# KiCad board hermod-right.kicad_pcb
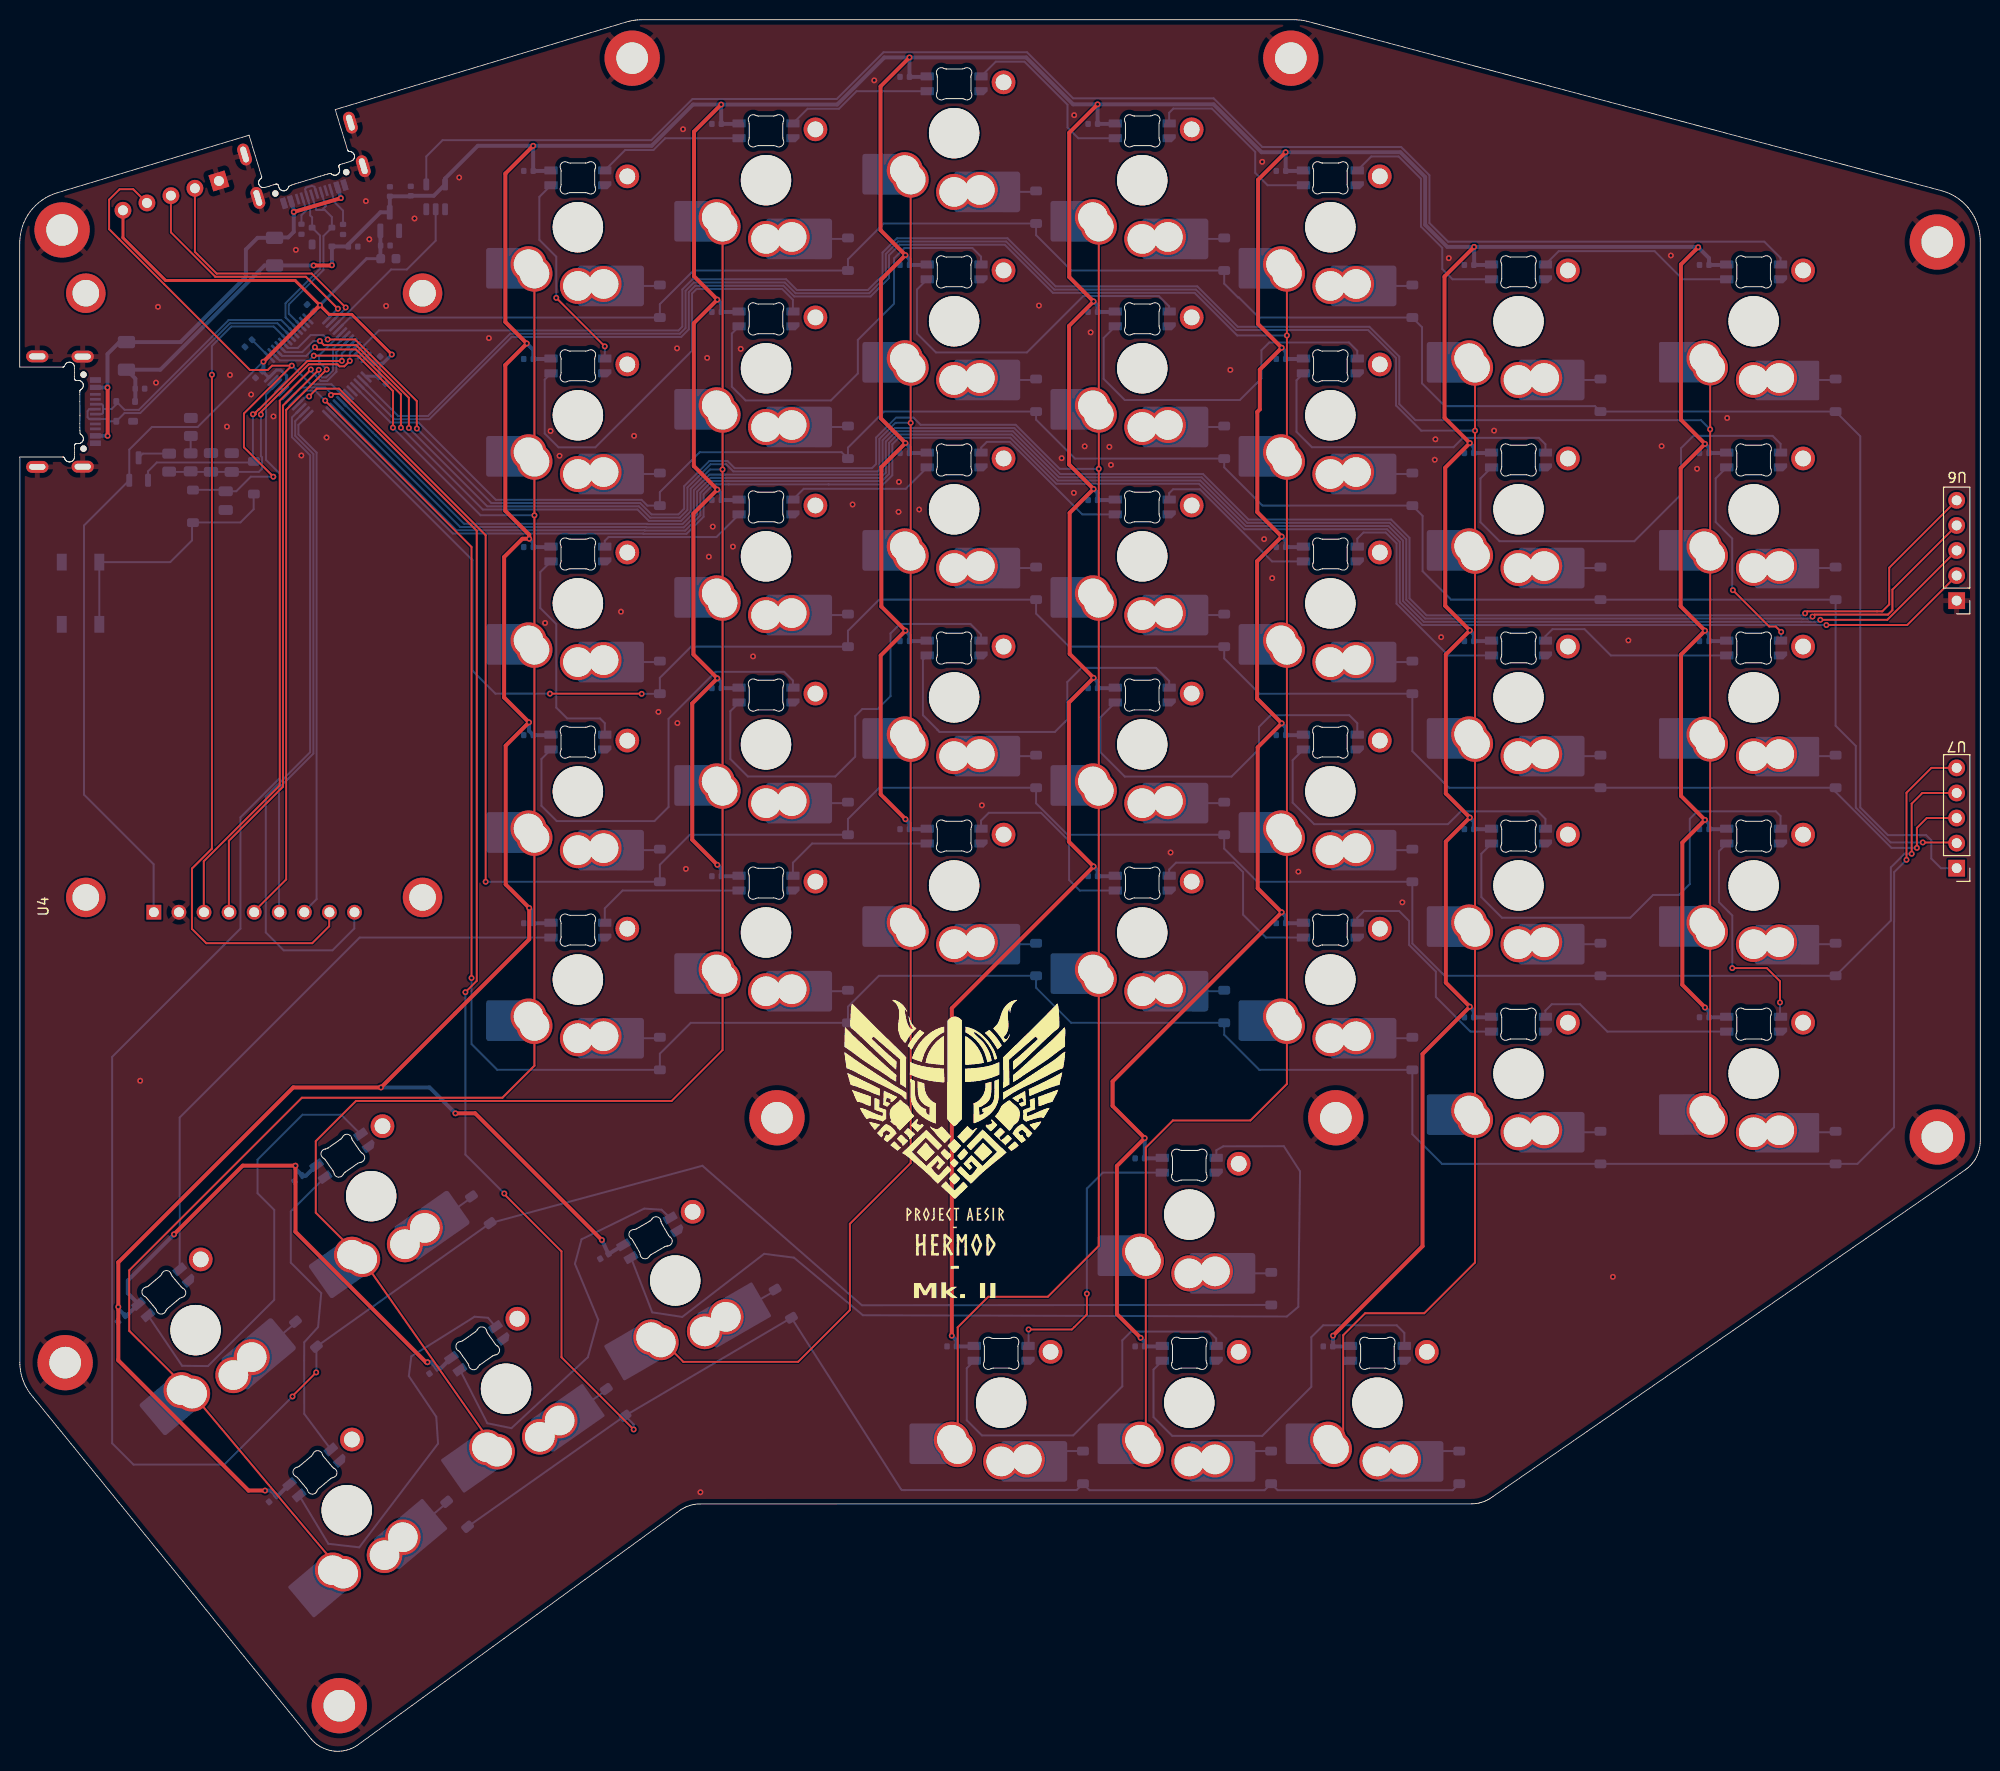
[diagram p0: board, top side]
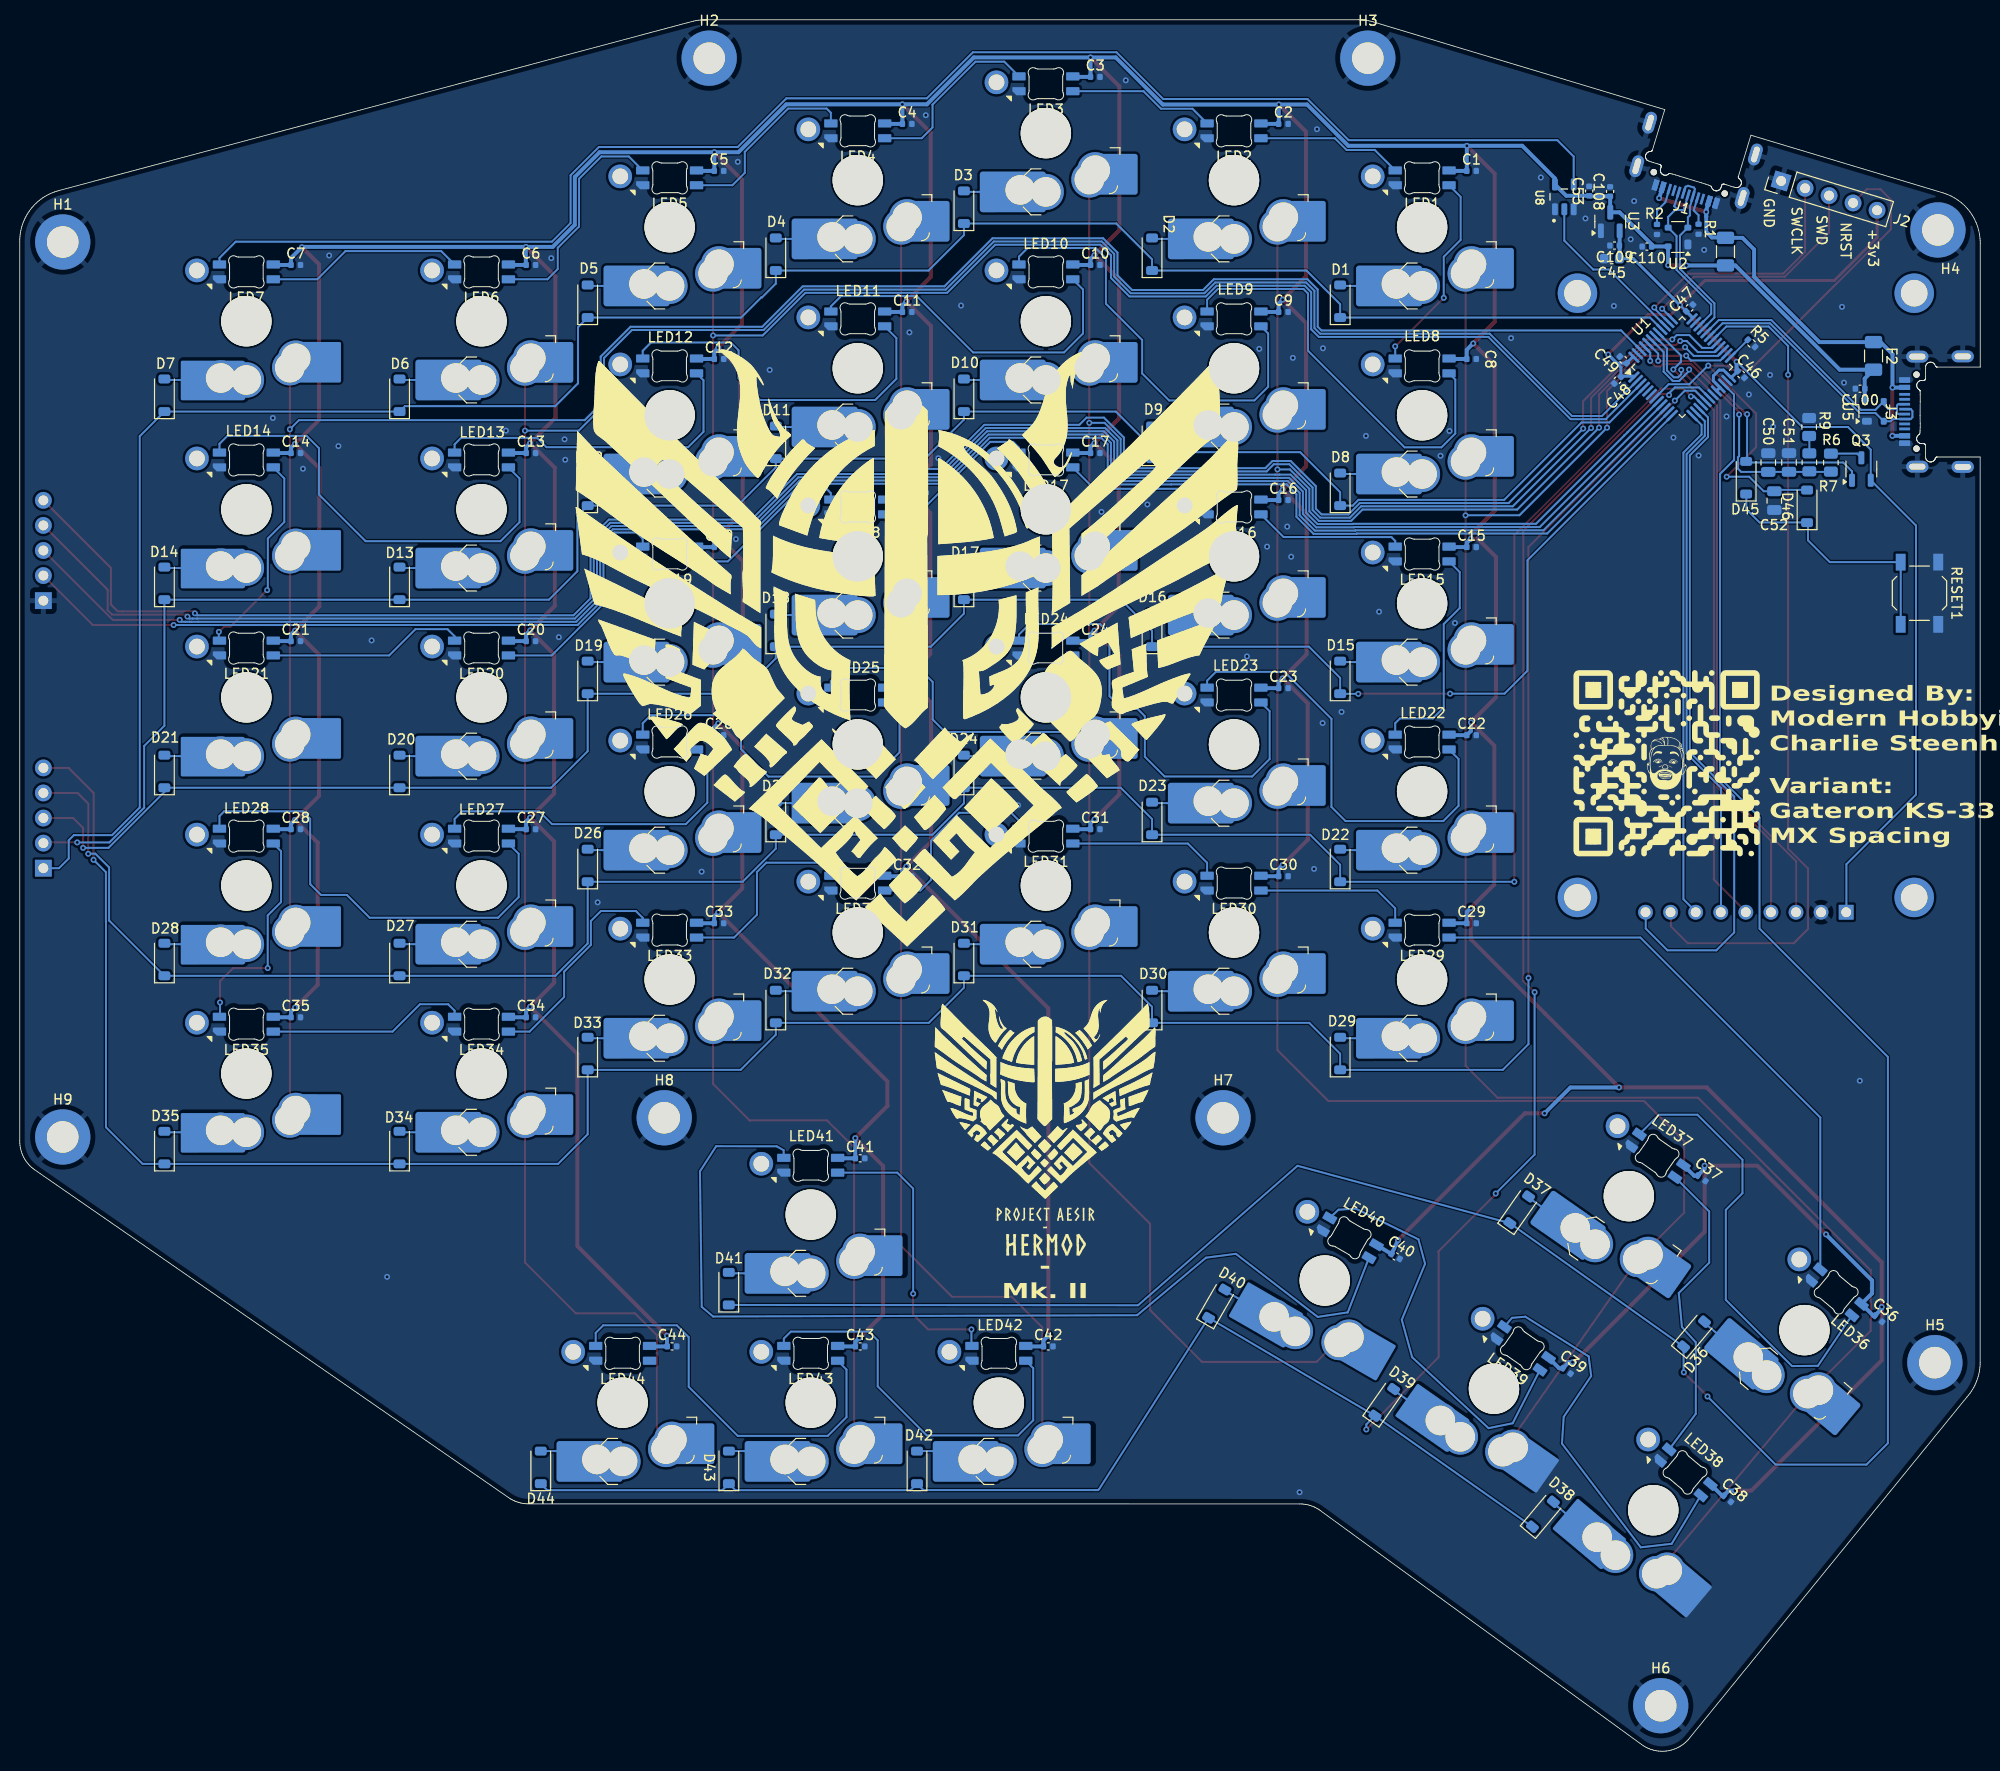
[diagram p1: board, bottom side, seen from below]

Outline 198.53 x 175.38 mm; copper layers: Top, Bottom. Coordinates in mm from the lower left corner of the outline.
Outline path: 0,152.78 0.01,153 0.02,153.21 0.07,153.64 0.16,154.06 0.28,154.46 0.43,154.85 0.6,155.23 0.81,155.59 1.05,155.94 1.31,156.26 1.59,156.56 1.91,156.84 2.24,157.1 2.59,157.33 2.97,157.53 3.36,157.7 3.57,157.78 3.77,157.85 23.22,163.69 24.49,159.52 24.5,159.5 24.5,159.49 24.5,159.48 24.5,159.43 24.5,159.42 24.5,159.41 24.49,159.4 24.49,159.39 24.48,159.38 24.48,159.37 24.48,159.36 24.47,159.36 24.46,159.34 24.44,159.32 24.43,159.31 24.42,159.29 24.4,159.28 24.38,159.27 24.36,159.25 24.35,159.24 24.33,159.23 24.32,159.21 24.31,159.2 24.29,159.18 24.28,159.17 24.25,159.12 24.24,159.1 24.23,159.08 24.22,159.05 24.21,159.02 24.21,159.01 24.2,158.96 24.19,158.94 24.19,158.92 24.19,158.85 24.19,158.83 24.19,158.8 24.2,158.78 24.2,158.76 24.21,158.73 24.22,158.71 24.23,158.69 24.26,158.63 24.27,158.61 24.28,158.59 24.31,158.55 24.38,158.48 24.4,158.47 24.42,158.46 24.44,158.45 24.45,158.43 24.48,158.42 24.5,158.41 24.52,158.4 24.54,158.4 24.57,158.39 24.59,158.39 24.61,158.38 24.67,158.38 24.74,158.39 24.82,158.4 24.92,158.42 25.03,158.45 25.24,158.52 25.67,158.65 25.83,158.71 25.89,158.72 25.94,158.73 25.95,158.74 25.96,158.74 25.98,158.74 26,158.74 26.01,158.74 26.03,158.74 26.05,158.73 26.06,158.73 26.1,158.71 26.12,158.7 26.13,158.69 26.14,158.68 26.15,158.66 26.15,158.66 26.16,158.65 26.17,158.63 26.19,158.59 26.23,158.47 26.24,158.42 26.25,158.39 26.26,158.37 26.27,158.35 26.28,158.33 26.31,158.27 26.34,158.23 26.39,158.18 26.41,158.17 26.42,158.16 26.43,158.15 26.45,158.14 26.46,158.13 26.48,158.12 26.49,158.11 26.51,158.1 26.53,158.1 26.56,158.08 26.57,158.08 26.59,158.07 26.61,158.06 26.65,158.06 26.66,158.06 26.68,158.05 26.7,158.05 26.72,158.05 26.73,158.05 26.75,158.05 26.77,158.05 26.79,158.06 26.81,158.06 26.83,158.06 26.85,158.07 26.87,158.07 26.9,158.09 26.92,158.09 26.94,158.1 26.98,158.12 27.01,158.14 27.04,158.17 27.07,158.19 27.1,158.22 27.15,158.28 27.17,158.31 27.19,158.35 27.21,158.43 27.22,158.45 27.22,158.46 27.22,158.48 27.23,158.49 27.26,158.52 27.29,158.53 27.39,158.58 27.51,158.63 27.85,158.75 28.24,158.87 30.46,159.54 30.84,159.66 31.18,159.75 31.32,159.79 31.42,159.8 31.49,159.81 31.51,159.8 31.52,159.79 31.56,159.76 31.57,159.75 31.59,159.73 31.63,159.71 31.66,159.69 31.7,159.67 31.74,159.66 31.79,159.64 31.8,159.64 31.85,159.63 31.87,159.63 31.89,159.63 31.91,159.63 31.93,159.63 31.95,159.63 32,159.64 32.01,159.64 32.1,159.67 32.12,159.68 32.16,159.7 32.22,159.75 32.23,159.76 32.24,159.77 32.25,159.78 32.27,159.79 32.32,159.86 32.33,159.88 32.34,159.89 32.34,159.91 32.35,159.92 32.36,159.94 32.36,159.96 32.37,159.97 32.37,159.99 32.38,160 32.39,160.06 32.39,160.08 32.4,160.09 32.4,160.18 32.39,160.2 32.38,160.26 32.37,160.28 32.37,160.31 32.35,160.35 32.34,160.4 32.33,160.42 32.31,160.47 32.31,160.51 32.31,160.56 32.31,160.58 32.32,160.59 32.32,160.6 32.34,160.63 32.35,160.65 32.36,160.66 32.37,160.67 32.38,160.68 32.39,160.69 32.4,160.7 32.44,160.72 32.45,160.72 32.53,160.75 32.69,160.79 33.11,160.91 33.33,160.99 33.52,161.05 33.6,161.08 33.67,161.11 33.71,161.14 33.73,161.15 33.74,161.16 33.76,161.18 33.77,161.2 33.79,161.21 33.8,161.24 33.82,161.25 33.83,161.27 33.84,161.3 33.85,161.32 33.86,161.34 33.87,161.36 33.88,161.38 33.88,161.41 33.89,161.43 33.89,161.48 33.9,161.5 33.9,161.57 33.89,161.6 33.89,161.65 33.88,161.67 33.87,161.69 33.86,161.73 33.83,161.8 33.81,161.82 33.79,161.85 33.77,161.87 33.75,161.89 33.74,161.9 33.72,161.92 33.7,161.93 33.68,161.95 33.67,161.96 33.6,161.99 33.58,162 33.56,162.01 33.54,162.02 33.52,162.02 33.5,162.03 33.48,162.03 33.41,162.03 33.37,162.04 33.35,162.05 33.33,162.05 33.31,162.06 33.29,162.07 33.28,162.07 33.27,162.08 33.27,162.08 33.26,162.09 33.25,162.1 33.24,162.11 33.23,162.12 33.22,162.13 33.22,162.14 33.21,162.15 33.21,162.17 33.2,162.18 31.95,166.28 61.42,175.15 61.6,175.21 61.79,175.25 61.98,175.29 62.17,175.32 62.36,175.35 62.56,175.36 62.75,175.38 62.94,175.38 129.1,175.38 129.28,175.38 129.44,175.37 129.62,175.35 129.79,175.34 129.96,175.31 130.13,175.28 130.3,175.24 130.46,175.2 194.6,158.07 194.82,158 195.03,157.93 195.24,157.85 195.44,157.77 195.63,157.67 195.83,157.57 196.01,157.46 196.19,157.34 196.37,157.22 196.54,157.09 196.71,156.95 196.86,156.81 197.02,156.66 197.16,156.51 197.3,156.34 197.44,156.18 197.56,156 197.68,155.83 197.8,155.65 197.9,155.46 198,155.27 198.08,155.08 198.17,154.88 198.24,154.68 198.31,154.47 198.37,154.26 198.42,154.05 198.46,153.84 198.49,153.62 198.51,153.4 198.53,153.18 198.53,152.96 198.53,61.79 198.52,61.58 198.5,61.36 198.47,61.15 198.43,60.94 198.37,60.74 198.3,60.54 198.22,60.34 198.13,60.15 198.02,59.97 197.91,59.79 197.78,59.62 197.65,59.46 197.5,59.3 197.35,59.16 197.18,59.02 197.01,58.89 149.02,25.69 148.91,25.61 148.79,25.54 148.67,25.48 148.56,25.42 148.43,25.36 148.31,25.31 148.19,25.26 148.06,25.22 147.93,25.18 147.8,25.15 147.67,25.12 147.54,25.1 147.41,25.08 147.28,25.07 147.14,25.06 147.01,25.06 68.9,25.05 68.76,25.05 68.62,25.04 68.48,25.03 68.34,25.01 68.21,24.98 68.07,24.96 67.94,24.92 67.8,24.88 67.67,24.83 67.54,24.78 67.42,24.73 67.29,24.67 67.17,24.6 67.05,24.53 66.93,24.46 66.82,24.38 34.28,0.68 34.14,0.58 33.99,0.49 33.84,0.4 33.69,0.33 33.53,0.26 33.38,0.2 33.22,0.15 33.06,0.1 32.9,0.07 32.73,0.04 32.57,0.02 32.41,0.01 32.24,0 32.08,0 31.91,0.01 31.75,0.03 31.59,0.05 31.43,0.09 31.27,0.13 31.11,0.17 30.96,0.23 30.8,0.29 30.65,0.36 30.51,0.43 30.36,0.52 30.22,0.61 30.09,0.71 29.95,0.81 29.82,0.92 29.7,1.04 29.58,1.17 29.47,1.3 1.34,35.88 1.19,36.07 1.04,36.26 0.9,36.45 0.77,36.66 0.65,36.86 0.54,37.08 0.44,37.29 0.36,37.52 0.28,37.74 0.2,37.97 0.14,38.2 0.1,38.44 0.06,38.67 0.03,38.91 0.01,39.16 0.01,39.4 0.01,131.09 4.39,131.09 4.41,131.09 4.42,131.09 4.43,131.08 4.44,131.08 4.46,131.08 4.5,131.05 4.5,131.04 4.53,131.01 4.54,131 4.55,130.97 4.55,130.96 4.58,130.9 4.58,130.89 4.59,130.88 4.59,130.87 4.59,130.86 4.61,130.84 4.61,130.82 4.62,130.81 4.64,130.79 4.65,130.78 4.66,130.76 4.67,130.75 4.68,130.74 4.7,130.72 4.71,130.71 4.73,130.7 4.74,130.69 4.76,130.68 4.77,130.67 4.79,130.66 4.8,130.65 4.89,130.61 4.91,130.61 4.93,130.6 4.96,130.6 4.98,130.6 5,130.59 5.08,130.59 5.09,130.6 5.12,130.6 5.15,130.6 5.18,130.61 5.21,130.63 5.25,130.64 5.31,130.67 5.34,130.7 5.36,130.72 5.39,130.74 5.41,130.77 5.44,130.79 5.45,130.82 5.48,130.85 5.49,130.88 5.5,130.91 5.52,130.95 5.52,130.97 5.53,131.01 5.54,131.16 5.54,131.36 5.54,131.59 5.54,132.02 5.54,132.28 5.54,132.29 5.54,132.3 5.55,132.31 5.56,132.33 5.56,132.35 5.57,132.35 5.58,132.38 5.6,132.39 5.61,132.4 5.62,132.41 5.63,132.42 5.64,132.42 5.69,132.44 5.71,132.44 5.74,132.45 5.96,132.45 5.99,132.45 6.01,132.45 6.03,132.45 6.05,132.46 6.06,132.46 6.09,132.47 6.16,132.5 6.23,132.54 6.25,132.56 6.29,132.59 6.31,132.62 6.34,132.65 6.38,132.71 6.4,132.75 6.41,132.77 6.42,132.8 6.42,132.82 6.43,132.84 6.43,132.86 6.44,132.88 6.44,132.9 6.44,132.93 6.44,132.99 6.43,133.05 6.43,133.07 6.4,133.14 6.38,133.18 6.36,133.21 6.34,133.25 6.31,133.28 6.25,133.34 6.22,133.37 6.18,133.39 6.15,133.41 6.13,133.42 6.13,133.44 6.11,133.5 6.1,133.61 6.09,133.75 6.08,134.1 6.08,134.5 6.09,135.27 6.08,136.72 6.08,137.44 6.09,137.69 6.09,137.79 6.09,137.8 6.1,137.8 6.1,137.81 6.1,137.82 6.1,137.82 6.1,137.83 6.11,137.84 6.11,137.84 6.12,137.86 6.16,137.9 6.17,137.9 6.18,137.91 6.21,137.94 6.23,137.94 6.24,137.95 6.25,137.96 6.27,137.98 6.3,138 6.32,138.02 6.34,138.05 6.35,138.08 6.37,138.1 6.39,138.13 6.4,138.16 6.41,138.19 6.42,138.22 6.43,138.28 6.43,138.31 6.43,138.34 6.43,138.38 6.43,138.39 6.43,138.41 6.43,138.43 6.42,138.47 6.41,138.49 6.4,138.53 6.39,138.57 6.37,138.6 6.35,138.63 6.32,138.67 6.29,138.7 6.24,138.75 6.21,138.77 6.17,138.79 6.13,138.81 6.12,138.82 6.1,138.82 6.06,138.83 6.04,138.84 6.01,138.84 5.97,138.85 5.76,138.85 5.73,138.85 5.71,138.85 5.69,138.86 5.67,138.86 5.65,138.87 5.64,138.87 5.63,138.88 5.62,138.88 5.61,138.89 5.59,138.91 5.57,138.93 5.56,138.94 5.56,138.95 5.55,138.97 5.55,138.98 5.54,138.99 5.54,138.99 5.54,139 5.54,139.01 5.53,139.09 5.53,139.25 5.54,139.67 5.53,140.1 5.53,140.25 5.52,140.3 5.52,140.32 5.51,140.35 5.49,140.42 5.47,140.44 5.46,140.47 5.44,140.5 5.42,140.52 5.4,140.55 5.37,140.57 5.35,140.59 5.32,140.61 5.27,140.64 5.24,140.66 5.21,140.67 5.18,140.68 5.14,140.69 5.12,140.7 5.1,140.7 5.01,140.7 4.97,140.7 4.93,140.69 4.89,140.68 4.85,140.67 4.82,140.65 4.78,140.63 4.74,140.61 4.71,140.59 4.68,140.56 4.65,140.53 4.63,140.5 4.61,140.46 4.53,140.29 4.53,140.28 4.5,140.26 4.5,140.25 4.47,140.23 4.44,140.22 4.4,140.21 4.39,140.2 0,140.2 0,152.78
Stack: Top 0.035mm / dielectric 1.51mm FR4 er 4.5 / Bottom 0.035mm

## Placement (name value [footprint] x y rotation side)
C1  0.1uF  [C_0402_1005Metric]  51.52 160.07 180 bottom
C2  0.1uF  [C_0402_1005Metric]  70.57 164.83 180 bottom
C3  0.1uF  [C_0402_1005Metric]  89.62 169.59 180 bottom
C4  0.1uF  [C_0402_1005Metric]  108.67 164.83 180 bottom
C5  0.1uF  [C_0402_1005Metric]  127.72 160.07 180 bottom
C6  0.1uF  [C_0402_1005Metric]  146.77 150.54 180 bottom
C7  0.1uF  [C_0402_1005Metric]  170.58 150.54 180 bottom
C8  0.1uF  [C_0402_1005Metric]  51.52 141.02 180 bottom
C9  0.1uF  [C_0402_1005Metric]  70.57 145.78 180 bottom
C10  0.1uF  [C_0402_1005Metric]  89.62 150.54 180 bottom
C11  0.1uF  [C_0402_1005Metric]  108.67 145.78 180 bottom
C12  0.1uF  [C_0402_1005Metric]  127.72 141.02 180 bottom
C13  0.1uF  [C_0402_1005Metric]  146.77 131.49 180 bottom
C14  0.1uF  [C_0402_1005Metric]  170.58 131.49 180 bottom
C15  0.1uF  [C_0402_1005Metric]  51.52 121.97 180 bottom
C16  0.1uF  [C_0402_1005Metric]  70.57 126.73 180 bottom
C17  0.1uF  [C_0402_1005Metric]  89.62 131.49 180 bottom
C18  0.1uF  [C_0402_1005Metric]  108.67 126.73 180 bottom
C19  0.1uF  [C_0402_1005Metric]  127.72 121.97 180 bottom
C20  0.1uF  [C_0402_1005Metric]  146.77 112.44 180 bottom
C21  0.1uF  [C_0402_1005Metric]  170.58 112.44 180 bottom
C22  0.1uF  [C_0402_1005Metric]  51.52 102.92 180 bottom
C23  0.1uF  [C_0402_1005Metric]  70.57 107.68 180 bottom
C24  0.1uF  [C_0402_1005Metric]  89.62 112.44 180 bottom
C25  0.1uF  [C_0402_1005Metric]  108.67 107.68 180 bottom
C26  0.1uF  [C_0402_1005Metric]  127.72 102.92 180 bottom
C27  0.1uF  [C_0402_1005Metric]  146.77 93.39 180 bottom
C28  0.1uF  [C_0402_1005Metric]  170.58 93.39 180 bottom
C29  0.1uF  [C_0402_1005Metric]  51.52 83.87 180 bottom
C30  0.1uF  [C_0402_1005Metric]  70.57 88.63 180 bottom
C31  0.1uF  [C_0402_1005Metric]  89.62 93.39 180 bottom
C32  0.1uF  [C_0402_1005Metric]  108.67 88.63 180 bottom
C33  0.1uF  [C_0402_1005Metric]  127.72 83.87 180 bottom
C34  0.1uF  [C_0402_1005Metric]  146.77 74.34 180 bottom
C35  0.1uF  [C_0402_1005Metric]  170.58 74.34 180 bottom
C36  0.1uF  [C_0402_1005Metric]  10.31 43.81 220 bottom
C37  0.1uF  [C_0402_1005Metric]  28.22 58.03 215 bottom
C38  0.1uF  [C_0402_1005Metric]  25.62 25.57 220 bottom
C39  0.1uF  [C_0402_1005Metric]  41.88 38.52 215 bottom
C40  0.1uF  [C_0402_1005Metric]  59.2 50.12 210 bottom
C41  0.1uF  [C_0402_1005Metric]  113.43 60.06 180 bottom
C42  0.1uF  [C_0402_1005Metric]  94.38 41.01 180 bottom
C43  0.1uF  [C_0402_1005Metric]  113.43 41.01 180 bottom
C44  0.1uF  [C_0402_1005Metric]  132.48 41.01 180 bottom
C45  10uF  [C_0603_1608Metric]  37.32 151.18 0 bottom
C46  100nF  [C_0402_1005Metric]  24.22 139.45 225 bottom
C47  100nF  [C_0402_1005Metric]  29.44 146.19 135 bottom
C48  100nF  [C_0402_1005Metric]  36.73 138.87 315 bottom
C49  100nF  [C_0402_1005Metric]  36.16 140.93 45 bottom
C50  100n  [C_0805_2012Metric]  21.47 130.53 270 bottom
C51  100n  [C_0805_2012Metric]  19.37 130.54 270 bottom
C52  100n  [C_0805_2012Metric]  20.86 126.67 90 bottom
C53  0.1uF  [C_0402_1005Metric]  39.6 158.03 90 bottom
C100  100nF  [C_0402_1005Metric]  12.17 138.01 0 bottom
C108  1uF  [C_0402_1005Metric]  37.48 157.98 90 bottom
C109  1uF  [C_0402_1005Metric]  37.02 152.51 0 bottom
C110  100nF  [C_0402_1005Metric]  33.76 152.4 0 bottom
CH1  KS33_SW_solder  [KS33_Choc-v2_HS_1U]  56.52 154.37 180 bottom
CH2  KS33_SW_solder  [KS33_Choc-v2_HS_1U]  75.57 159.13 180 bottom
CH3  KS33_SW_solder  [KS33_Choc-v2_HS_1U]  94.62 163.89 180 bottom
CH4  KS33_SW_solder  [KS33_Choc-v2_HS_1U]  113.67 159.13 180 bottom
CH5  KS33_SW_solder  [KS33_Choc-v2_HS_1U]  132.72 154.37 180 bottom
CH6  KS33_SW_solder  [KS33_Choc-v2_HS_1U]  151.77 144.84 180 bottom
CH7  KS33_SW_solder  [KS33_Choc-v2_HS_1.5U]  175.58 144.84 180 bottom
CH8  KS33_SW_solder  [KS33_Choc-v2_HS_1U]  56.52 135.32 180 bottom
CH9  KS33_SW_solder  [KS33_Choc-v2_HS_1U]  75.57 140.08 180 bottom
CH10  KS33_SW_solder  [KS33_Choc-v2_HS_1U]  94.62 144.84 180 bottom
CH11  KS33_SW_solder  [KS33_Choc-v2_HS_1U]  113.67 140.08 180 bottom
CH12  KS33_SW_solder  [KS33_Choc-v2_HS_1U]  132.72 135.32 180 bottom
CH13  KS33_SW_solder  [KS33_Choc-v2_HS_1U]  151.77 125.79 180 bottom
CH14  KS33_SW_solder  [KS33_Choc-v2_HS_1.5U]  175.58 125.79 180 bottom
CH15  KS33_SW_solder  [KS33_Choc-v2_HS_1U]  56.52 116.27 180 bottom
CH16  KS33_SW_solder  [KS33_Choc-v2_HS_1U]  75.57 121.03 180 bottom
CH17  KS33_SW_solder  [KS33_Choc-v2_HS_1U]  94.62 125.79 180 bottom
CH18  KS33_SW_solder  [KS33_Choc-v2_HS_1U]  113.67 121.03 180 bottom
CH19  KS33_SW_solder  [KS33_Choc-v2_HS_1U]  132.72 116.27 180 bottom
CH20  KS33_SW_solder  [KS33_Choc-v2_HS_1U]  151.77 106.74 180 bottom
CH21  KS33_SW_solder  [KS33_Choc-v2_HS_1.5U]  175.58 106.74 180 bottom
CH22  KS33_SW_solder  [KS33_Choc-v2_HS_1U]  56.52 97.22 180 bottom
CH23  KS33_SW_solder  [KS33_Choc-v2_HS_1U]  75.57 101.98 180 bottom
CH24  KS33_SW_solder  [KS33_Choc-v2_HS_1U]  94.62 106.74 180 bottom
CH25  KS33_SW_solder  [KS33_Choc-v2_HS_1U]  113.67 101.98 180 bottom
CH26  KS33_SW_solder  [KS33_Choc-v2_HS_1U]  132.72 97.22 180 bottom
CH27  KS33_SW_solder  [KS33_Choc-v2_HS_1U]  151.77 87.69 180 bottom
CH28  KS33_SW_solder  [KS33_Choc-v2_HS_1.5U]  175.58 87.69 180 bottom
CH29  KS33_SW_solder  [KS33_Choc-v2_HS_1U]  56.52 78.17 180 bottom
CH30  KS33_SW_solder  [KS33_Choc-v2_HS_1U]  75.57 82.93 180 bottom
CH31  KS33_SW_solder  [KS33_Choc-v2_HS_1U]  94.62 87.69 180 bottom
CH32  KS33_SW_solder  [KS33_Choc-v2_HS_1U]  113.67 82.93 180 bottom
CH33  KS33_SW_solder  [KS33_Choc-v2_HS_1U]  132.72 78.17 180 bottom
CH34  KS33_SW_solder  [KS33_Choc-v2_HS_1U]  151.77 68.64 180 bottom
CH35  KS33_SW_solder  [KS33_Choc-v2_HS_1.5U]  175.58 68.64 180 bottom
CH36  KS33_SW_solder  [KS33_Choc-v2_HS_1U#2]  17.8 42.66 220 bottom
CH37  KS33_SW_solder  [KS33_Choc-v2_HS_1U]  35.59 56.23 215 bottom
CH38  KS33_SW_solder  [KS33_Choc-v2_HS_1.5U#2]  33.11 24.41 220 bottom
CH39  KS33_SW_solder  [KS33_Choc-v2_HS_1.5U]  49.24 36.72 215 bottom
CH40  KS33_SW_solder  [KS33_Choc-v2_HS_1.5U]  66.38 47.68 210 bottom
CH41  KS33_SW_solder  [KS33_Choc-v2_HS_1U]  118.43 54.36 180 bottom
CH42  KS33_SW_solder  [KS33_Choc-v2_HS_1U]  99.38 35.31 180 bottom
CH43  KS33_SW_solder  [KS33_Choc-v2_HS_1U]  118.43 35.31 180 bottom
CH44  KS33_SW_solder  [KS33_Choc-v2_HS_1U]  137.48 35.31 180 bottom
D1  D  [D_SOD-123]  64.82 146.87 90 bottom
D2  D  [D_SOD-123]  83.87 151.63 90 bottom
D3  D  [D_SOD-123]  102.92 156.39 90 bottom
D4  D  [D_SOD-123]  121.97 151.63 90 bottom
D5  D  [D_SOD-123]  141.02 146.87 90 bottom
D6  D  [D_SOD-123]  160.07 137.34 90 bottom
D7  D  [D_SOD-123]  183.88 137.34 90 bottom
D8  D  [D_SOD-123]  64.82 127.82 90 bottom
D9  D  [D_SOD-123]  83.87 132.58 90 bottom
D10  D  [D_SOD-123]  102.92 137.34 90 bottom
D11  D  [D_SOD-123]  121.97 132.58 90 bottom
D12  D  [D_SOD-123]  141.02 127.82 90 bottom
D13  D  [D_SOD-123]  160.07 118.29 90 bottom
D14  D  [D_SOD-123]  183.88 118.29 90 bottom
D15  D  [D_SOD-123]  64.82 108.77 90 bottom
D16  D  [D_SOD-123]  83.87 113.53 90 bottom
D17  D  [D_SOD-123]  102.92 118.29 90 bottom
D18  D  [D_SOD-123]  121.97 113.53 90 bottom
D19  D  [D_SOD-123]  141.02 108.77 90 bottom
D20  D  [D_SOD-123]  160.07 99.24 90 bottom
D21  D  [D_SOD-123]  183.88 99.24 90 bottom
D22  D  [D_SOD-123]  64.82 89.72 90 bottom
D23  D  [D_SOD-123]  83.87 94.48 90 bottom
D24  D  [D_SOD-123]  102.92 99.24 90 bottom
D25  D  [D_SOD-123]  121.97 94.48 90 bottom
D26  D  [D_SOD-123]  141.02 89.72 90 bottom
D27  D  [D_SOD-123]  160.07 80.19 90 bottom
D28  D  [D_SOD-123]  183.88 80.19 90 bottom
D29  D  [D_SOD-123]  64.82 70.67 90 bottom
D30  D  [D_SOD-123]  83.87 75.43 90 bottom
D31  D  [D_SOD-123]  102.92 80.19 90 bottom
D32  D  [D_SOD-123]  121.97 75.43 90 bottom
D33  D  [D_SOD-123]  141.02 70.67 90 bottom
D34  D  [D_SOD-123]  160.07 61.14 90 bottom
D35  D  [D_SOD-123]  183.88 61.14 90 bottom
D36  D  [D_SOD-123]  28.98 42.25 130 bottom
D37  D  [D_SOD-123]  46.69 54.84 125 bottom
D38  D  [D_SOD-123]  44.29 24 130 bottom
D39  D  [D_SOD-123]  60.35 35.34 125 bottom
D40  D  [D_SOD-123]  77.32 45.33 120 bottom
D41  D  [D_SOD-123]  126.73 46.86 90 bottom
D42  D  [D_SOD-123]  107.67 28.75 90 bottom
D43  D  [D_SOD-123]  126.72 28.75 90 bottom
D44  D  [D_SOD-123]  145.77 28.75 90 bottom
D45  1N4148  [D_SOD-123]  23.71 128.99 90 bottom
D46  1N4148  [D_SOD-123]  17.54 126.09 90 bottom
F1  500mA  [Fuse_1206_3216Metric]  25.8 151.89 270 bottom
F2  500mA  [Fuse_1206_3216Metric]  10.81 141.33 270 bottom
H1  MountingHole_Pad  [MountingHole_3.2mm_M3_DIN965_Pad]  194.18 152.87 180 bottom
H2  MountingHole_Pad  [MountingHole_3.2mm_M3_DIN965_Pad]  128.72 171.49 180 bottom
H3  MountingHole_Pad  [MountingHole_3.2mm_M3_DIN965_Pad]  62.02 171.49 180 bottom
H4  MountingHole_Pad  [MountingHole_3.2mm_M3_DIN965_Pad]  4.29 154.09 180 bottom
H5  MountingHole_Pad  [MountingHole_3.2mm_M3_DIN965_Pad]  4.6 39.36 180 bottom
H6  MountingHole_Pad  [MountingHole_3.2mm_M3_DIN965_Pad]  32.36 4.61 180 bottom
H7  MountingHole_Pad  [MountingHole_3.2mm_M3_DIN965_Pad]  76.68 64.16 180 bottom
H8  MountingHole_Pad  [MountingHole_3.2mm_M3_DIN965_Pad]  133.27 64.16 180 bottom
H9  MountingHole_Pad  [MountingHole_3.2mm_M3_DIN965_Pad]  194.18 62.22 180 bottom
J1  USB_C_Receptacle_USB2.0  [USB_C_Receptacle_HRO_TYPE-C-31-M-14]  29.47 158.86 16.8 bottom
J2  Conn_01x05  [PinHeader_1x05_P2.54mm_Vertical]  20.17 159.05 107 bottom
J3  USB_C_Receptacle_USB2.0  [USB_C_Receptacle_HRO_TYPE-C-31-M-14]  6.46 135.69 90 bottom
LED1  choc_SK6812MINI-E  [LED_choc_6028R]  56.52 159.37 0 bottom
LED2  choc_SK6812MINI-E  [LED_choc_6028R]  75.57 164.13 0 bottom
LED3  choc_SK6812MINI-E  [LED_choc_6028R]  94.62 168.89 0 bottom
LED4  choc_SK6812MINI-E  [LED_choc_6028R]  113.67 164.13 0 bottom
LED5  choc_SK6812MINI-E  [LED_choc_6028R]  132.72 159.37 0 bottom
LED6  choc_SK6812MINI-E  [LED_choc_6028R]  151.77 149.84 0 bottom
LED7  choc_SK6812MINI-E  [LED_choc_6028R]  175.58 149.84 0 bottom
LED8  choc_SK6812MINI-E  [LED_choc_6028R]  56.52 140.32 0 bottom
LED9  choc_SK6812MINI-E  [LED_choc_6028R]  75.57 145.08 0 bottom
LED10  choc_SK6812MINI-E  [LED_choc_6028R]  94.62 149.84 0 bottom
LED11  choc_SK6812MINI-E  [LED_choc_6028R]  113.67 145.08 0 bottom
LED12  choc_SK6812MINI-E  [LED_choc_6028R]  132.72 140.32 0 bottom
LED13  choc_SK6812MINI-E  [LED_choc_6028R]  151.77 130.79 0 bottom
LED14  choc_SK6812MINI-E  [LED_choc_6028R]  175.58 130.79 0 bottom
LED15  choc_SK6812MINI-E  [LED_choc_6028R]  56.52 121.27 0 bottom
LED16  choc_SK6812MINI-E  [LED_choc_6028R]  75.57 126.03 0 bottom
LED17  choc_SK6812MINI-E  [LED_choc_6028R]  94.62 130.79 0 bottom
LED18  choc_SK6812MINI-E  [LED_choc_6028R]  113.67 126.03 0 bottom
LED19  choc_SK6812MINI-E  [LED_choc_6028R]  132.72 121.27 0 bottom
LED20  choc_SK6812MINI-E  [LED_choc_6028R]  151.77 111.74 0 bottom
LED21  choc_SK6812MINI-E  [LED_choc_6028R]  175.58 111.74 0 bottom
LED22  choc_SK6812MINI-E  [LED_choc_6028R]  56.52 102.22 0 bottom
LED23  choc_SK6812MINI-E  [LED_choc_6028R]  75.57 106.98 0 bottom
LED24  choc_SK6812MINI-E  [LED_choc_6028R]  94.62 111.74 0 bottom
LED25  choc_SK6812MINI-E  [LED_choc_6028R]  113.67 106.98 0 bottom
LED26  choc_SK6812MINI-E  [LED_choc_6028R]  132.72 102.22 0 bottom
LED27  choc_SK6812MINI-E  [LED_choc_6028R]  151.77 92.69 0 bottom
LED28  choc_SK6812MINI-E  [LED_choc_6028R]  175.58 92.69 0 bottom
LED29  choc_SK6812MINI-E  [LED_choc_6028R]  56.52 83.17 0 bottom
LED30  choc_SK6812MINI-E  [LED_choc_6028R]  75.57 87.93 0 bottom
LED31  choc_SK6812MINI-E  [LED_choc_6028R]  94.62 92.69 0 bottom
LED32  choc_SK6812MINI-E  [LED_choc_6028R]  113.67 87.93 0 bottom
LED33  choc_SK6812MINI-E  [LED_choc_6028R]  132.72 83.17 0 bottom
LED34  choc_SK6812MINI-E  [LED_choc_6028R]  151.77 73.64 0 bottom
LED35  choc_SK6812MINI-E  [LED_choc_6028R]  175.58 73.64 0 bottom
LED36  choc_SK6812MINI-E  [LED_choc_6028R]  14.59 46.49 40 bottom
LED37  choc_SK6812MINI-E  [LED_choc_6028R]  32.72 60.32 35 bottom
LED38  choc_SK6812MINI-E  [LED_choc_6028R]  29.9 28.24 40 bottom
LED39  choc_SK6812MINI-E  [LED_choc_6028R]  46.38 40.82 35 bottom
LED40  choc_SK6812MINI-E  [LED_choc_6028R]  63.88 52.01 30 bottom
LED41  choc_SK6812MINI-E  [LED_choc_6028R]  118.43 59.36 0 bottom
LED42  choc_SK6812MINI-E  [LED_choc_6028R]  99.38 40.31 0 bottom
LED43  choc_SK6812MINI-E  [LED_choc_6028R]  118.43 40.31 0 bottom
LED44  choc_SK6812MINI-E  [LED_choc_6028R]  137.48 40.31 0 bottom
Q3  MMUN2133LT1G  [SOT-23-3]  12.04 129.87 90 bottom
R1  5.1k  [R_0402_1005Metric]  28.53 154.16 90 bottom
R2  5.1k  [R_0402_1005Metric]  32.74 154.14 270 bottom
R5  5.1k  [R_0402_1005Metric]  23.17 142.6 225 bottom
R6  120  [R_0805_2012Metric]  15.13 130.52 270 bottom
R7  68k  [R_0805_2012Metric]  17.31 130.55 270 bottom
R9  68k  [R_0805_2012Metric]  17.33 134.13 90 bottom
RESET1  DFU  [SW_SPST_TL3342]  6.16 117.29 270 bottom
U1  STM32G474CETx  [LQFP-48_7x7mm_P0.5mm]  30.18 140.19 135 bottom
U2  PRTR5V0U2X  [SOT-143]  30.61 153.37 0 bottom
U3  XC6206PxxxMR-Regulator_Linear  [SOT-23]  37.47 154.94 90 bottom
U4  -  [CR2013-MI2120]  13.58 84.98 90 top
U5  PRTR5V0U2X  [SOT-143]  10.73 135.71 90 bottom
U6  ~  [Pogo_2.54mm_5p]  196.14 121.65 180 top
U7  ~  [Pogo_2.54mm_5p]  196.14 94.55 180 top
U8  SN74AHCT1G125DBVR  [SOT95P280X145-5N]  42.12 157.44 90 bottom

## Library data of the parts
C1-C44 = -: Description: Unpolarized capacitor; ki_fp_filters: C_*
C45-C49 C53 C100 C108-C110 = -: LCSC: C307331; ki_fp_filters: C_*
C50-C52 = -: ki_fp_filters: C_*
CH1-CH44 = -: Description: Push button switch, normally open, two pins, 45° tilted
D1-D44 = -: Description: Diode; Sim.Pins: 1=K 2=A; ki_fp_filters: TO-???* *_Diode_* *SingleDiode* D_*
D45 D46 = -: ki_fp_filters: TO-???* *_Diode_* *SingleDiode* D_*
F1 F2 = -: LCSC: C135341; ki_fp_filters: *polyfuse* *PTC*
H1-H9 = -: Description: Mounting Hole with connection; ki_fp_filters: MountingHole*Pad*
J1 = -: Datasheet: https://www.usb.org/sites/default/files/documents/usb_type-c.zip; JlcPosOffset: 0,1.5; JlcRotOffset: 180; ki_fp_filters: USB*C*Receptacle*
J2 = -: Description: Generic connector, single row, 01x05, script generated (kicad-library-utils/schlib/autogen/connector/); ki_fp_filters: Connector*:*_1x??_*
J3 = -: Datasheet: https://www.usb.org/sites/default/files/documents/usb_type-c.zip; JlcRotOffset: 180; JlcPosOffset: 0,1.5; ki_fp_filters: USB*C*Receptacle*
LED1-LED44 = -: Description: Reverse mount adressable LED (WS2812 protocol)
R1 R2 R5-R7 R9 = -: ki_fp_filters: R_*
U1 = -: Datasheet: https://www.st.com/resource/en/datasheet/stm32g474ce.pdf; Description: STMicroelectronics Arm Cortex-M4 MCU, 512KB flash, 128KB RAM, 170 MHz, 1.71-3.6V, 38 GPIO, LQFP48; ki_fp_filters: LQFP*7x7mm*P0.5mm*
U2 U5 = -: Datasheet: https://assets.nexperia.com/documents/data-sheet/PRTR5V0U2X.pdf; LCSC: C2827688; JlcRotOffset: 90; ki_fp_filters: SOT?143*
U3 = -: Datasheet: https://www.torexsemi.com/file/xc6206/XC6206.pdf; LCSC: C5446; ki_fp_filters: SOT?23*
U4 = -: Datasheet: http://pan.baidu.com/s/11Y990; Description: ILI9341 controller, SPI TFT LCD Display, 9-pin breakout PCB, 4-pin SD card interface, 5V/3.3V; ki_fp_filters: *CR2013*MI2120*
U8 = -: MF: Texas Instruments; Description_1: Single 4.5-V to 5.5-V buffer with TTL-compatible CMOS inputs and 3-state outputs; Package: SOT-23-5 Texas Instruments; Price: None; SnapEDA_Link: https://www.snapeda.com/parts/SN74AHCT1G125DBVR/Texas+Instruments/view-part/?ref=snap; Availability: In Stock; Check_prices: https://www.snapeda.com/parts/SN74AHCT1G125DBVR/Texas+Instruments/view-part/?ref=eda
